# Altium PCB miniBackplane.PcbDoc (part 16 of 24)
Units mil, origin at the board's own origin, x right, y up, seen from the top; angles counter-clockwise.
Board outline 17285.63 x 8582.68 mil, 6 copper layers (Top Layer, Mid-Layer 1, GND, PWR, Mid-Layer 2, Bottom Layer), stack 62.362 mil thick; 519 components, 474 nets, 2434 pads, 1493 vias.
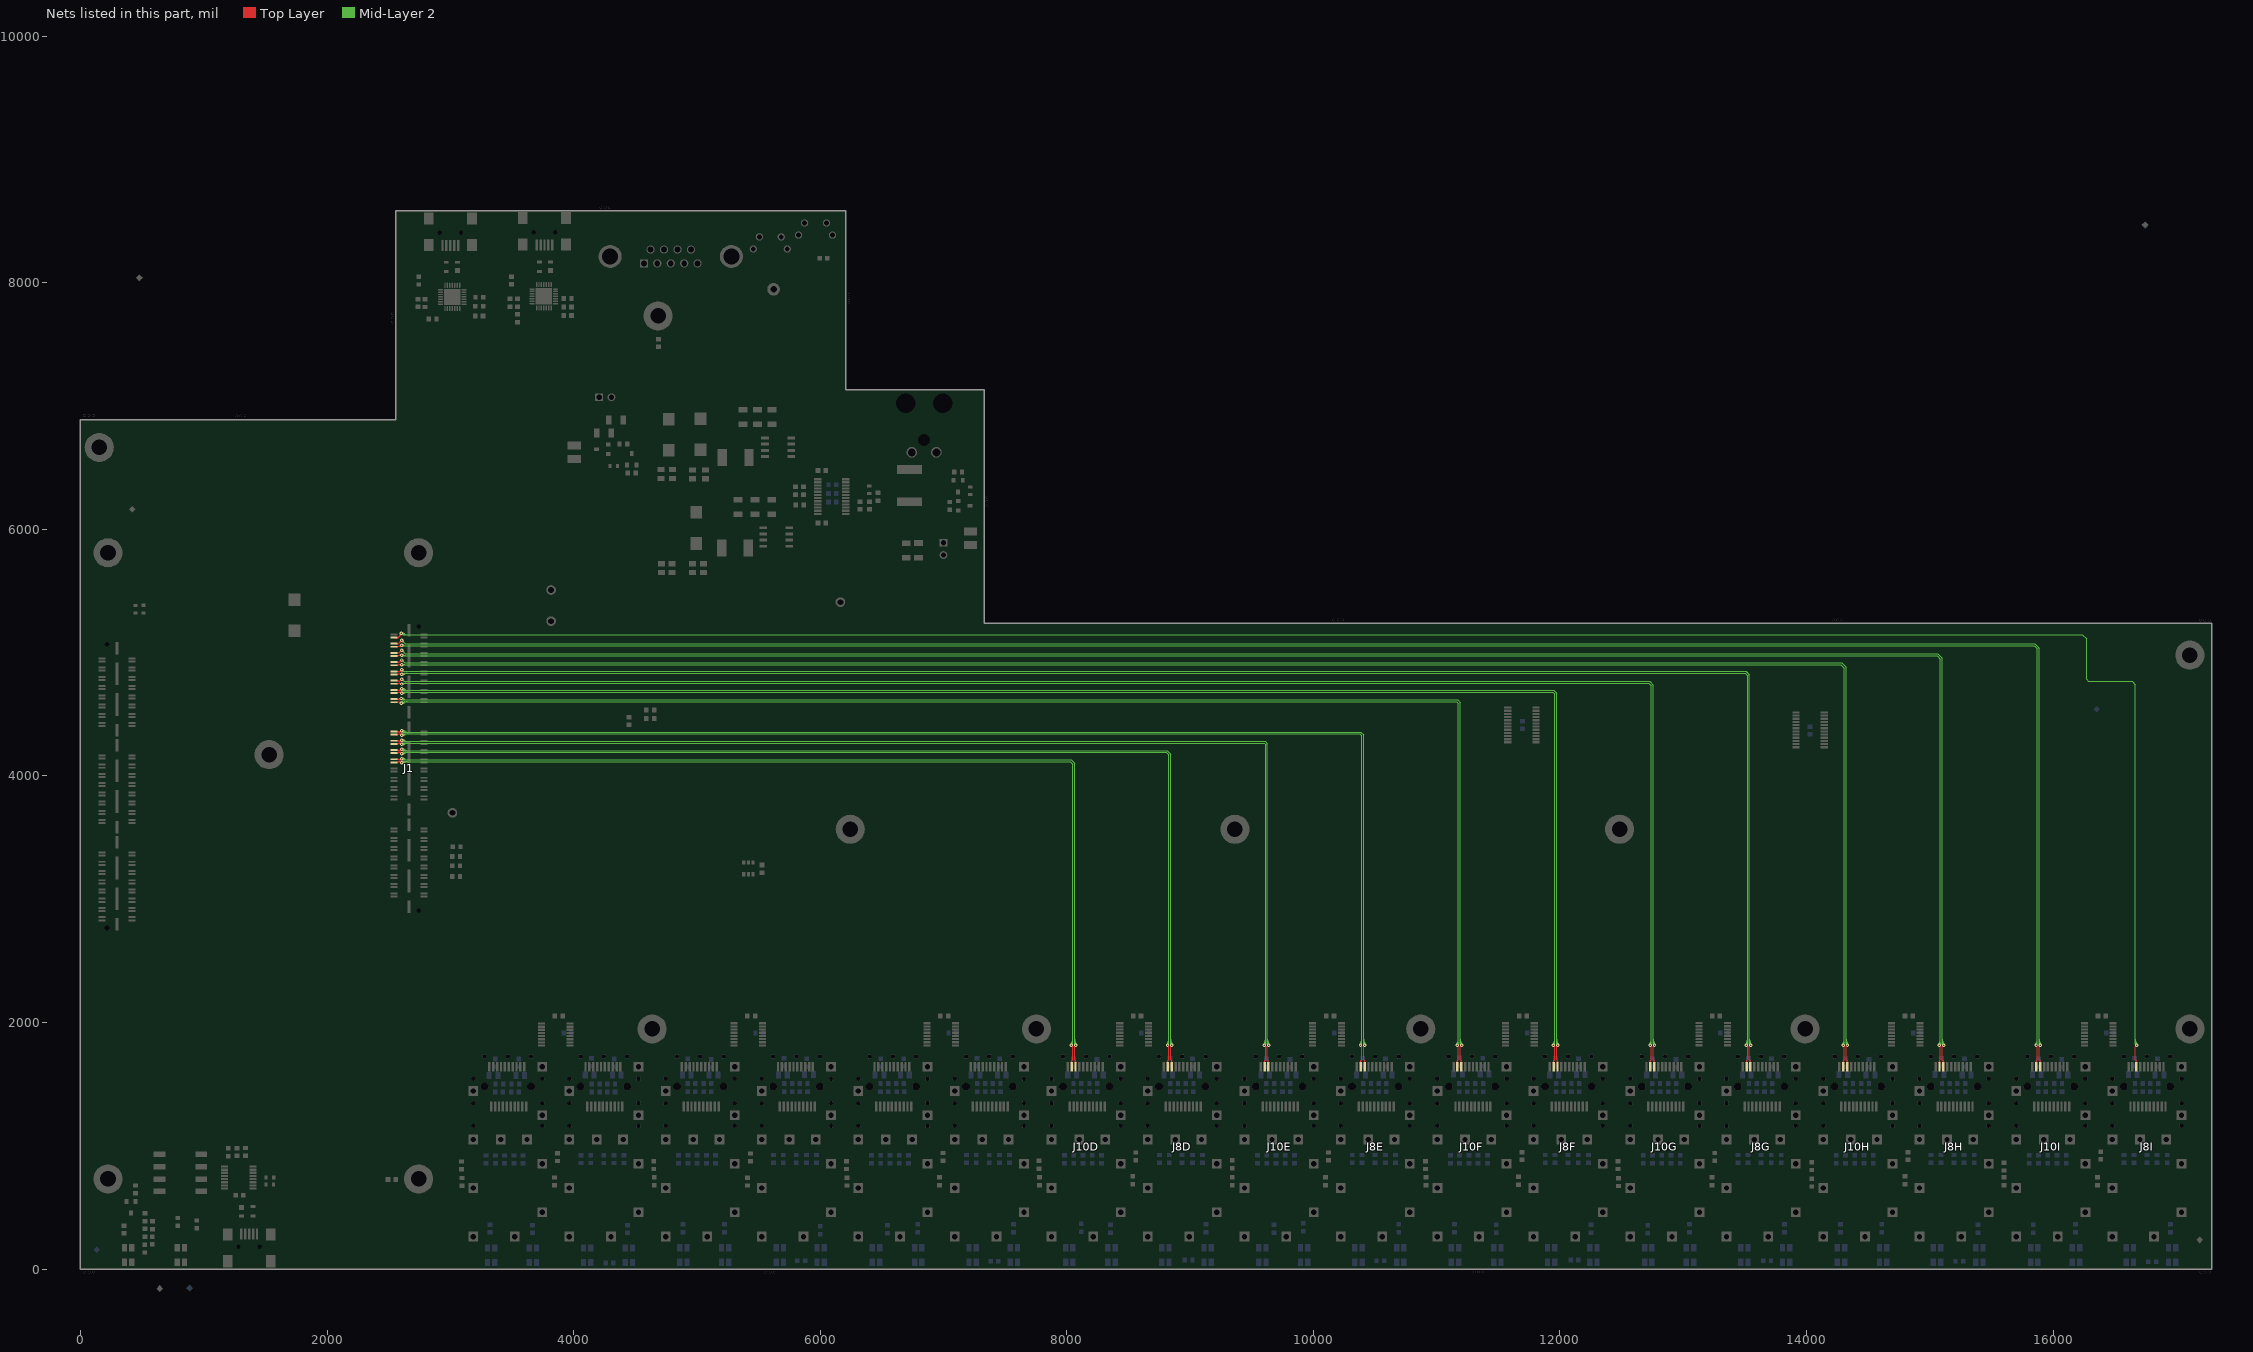
[diagram p20: the nets of this part, all layers, seen from the top]

## Via types
v1: diameter 27.56, hole 11.81, Top Layer to Bottom Layer, tented both sides, 1347 vias
v2: diameter 23.62, hole 11.81, Top Layer to Bottom Layer, tented both sides, 146 vias

## Nets (pads, with @x,y where several pads share a name; then routed paths per layer and width w, separated by ;. In a path a pad name is that pad's centre, name@x,y a point inside that pad or via, vN(x,y) a via of type N, cw(c..) or ccw(c..) an arc to the next point about the centre after c; other vN are vias at no path point) (continued)
MGTTX112_0_P: J1.4 J8I.18 | length 18355
  Top Layer w9.84: J1.4@2551.18,5122.49 2579.18,5122.49 ; 2589.47,5141.93 cw(c2615.45,5135.17) v1@2601.86,5158.32 ; v1@2602.36,5153.55 v1(2602.36,5157.47) 2602.36,5145.67 2579.18,5122.49 ; J8I.18@16675.47,1669.3 16675.47,1690.56 16667.6,1698.43 16667.6,1805.72 ; v1(16677.44,1815.56) 16667.6,1805.72 ; 2579.19,5122.49 ccw(c2544.63,5157.05) 2593.5,5157.41 cw(c2544.63,5157.05) 2579.19,5122.49 ; 16667.6,1805.72 ccw(c16663,1810.32) 16669.11,1812.54 cw(c16663,1810.32) 16667.6,1805.72 ; 16667.6,1805.72 cw(c16672.2,1801.12) 16674.42,1807.23 ccw(c16672.2,1801.12) 16667.6,1805.72 ; 16675.47,1682.63 ccw(c16687.35,1682.63) 16678.95,1674.23 cw(c16687.35,1682.63) 16675.47,1682.63 ; 16675.47,1682.63 cw(c16663.59,1682.63) 16671.99,1674.23 ccw(c16663.59,1682.63) 16675.47,1682.63 ; 2595.82,5139.12 ccw(c2577.65,5157.29) 2603.34,5157.48 cw(c2577.65,5157.29) 2595.82,5139.12
  Mid-Layer 2 w7.09: v1(2602.36,5157.47) 2614.08,5145.75 16238.73,5145.75 16271.65,5112.82 16271.65,4782.11 16286.05,4767.72 16640.46,4767.72 16667.6,4740.58 16667.6,1826.72 16667.99,1826.32 16667.99,1825.01 v1(16677.44,1815.56) ; v1@2604.44,5155.11 cw(c2614.6,5143.57) 2622.66,5156.66 ; v1@2607.24,5148.47 cw(c2615.63,5133.03) 2624.41,5148.25 ; v1@2609.12,5149.79 cw(c2621.22,5136.05) 2630.82,5151.64 ; v1@2612.24,5160.12 ccw(c2626.08,5163.83) 2618.92,5151.42 ; v1@16669.18,1821.6 ccw(c16659.44,1828.71) 16669.88,1834.74 ; v1@16670.02,1822.61 ccw(c16657.14,1834.84) 16672.5,1843.77 ; 16671.39,1832.12 ccw(c16683.8,1839.28) v1@16680.09,1825.45 ; v1@16675.16,1817.73 ccw(c16664.28,1828.05) 16677.25,1835.59 ; v1@2599.57,5154.69 ccw(c2621.15,5176.26) 2621.15,5145.75 cw(c2621.15,5176.26) v1@2599.57,5154.69 ; v1@2604.58,5159.7 ccw(c2638.26,5193.37) 2638.26,5145.75 cw(c2638.26,5193.37) v1@2604.58,5159.7 ; v1@2609.6,5164.71 ccw(c2655.37,5210.48) 2655.37,5145.75 cw(c2655.37,5210.48) v1@2609.6,5164.71 ; 16667.6,1829.82 ccw(c16691.7,1829.82) 16674.66,1812.78 cw(c16691.7,1829.82) 16667.6,1829.82 ; 16667.6,1846.92 ccw(c16708.81,1846.92) 16679.67,1817.79 cw(c16708.81,1846.92) 16667.6,1846.92 ; 16667.6,1864.03 ccw(c16725.92,1864.03) 16684.68,1822.8 cw(c16725.92,1864.03) 16667.6,1864.03
MGTTX112_1_N: J1.8 J10I.19 | length 17199.8
  Top Layer w9.84: J1.8@2562.99,5047.49 2575.71,5047.49 2580.33,5052.12 ; v1(2605.71,5060) 2597.83,5052.12 2580.33,5052.12 ; v1(15862.01,1815.56) 15871.85,1805.72 ; J10I.19@15863.98,1677.17 15863.98,1690.56 15871.85,1698.43 15871.85,1805.72 ; 2580.33,5052.12 cw(c2571.4,5061.05) 2565.18,5050.06 ccw(c2571.4,5061.05) 2580.33,5052.12 ; 2580.34,5052.12 ccw(c2580.34,5070.86) 2597.56,5063.49 cw(c2580.34,5070.86) 2580.34,5052.12 ; 15863.98,1682.63 ccw(c15875.86,1682.63) 15867.46,1674.23 cw(c15875.86,1682.63) 15863.98,1682.63 ; 15863.98,1682.63 cw(c15852.1,1682.63) 15860.5,1674.23 ccw(c15852.1,1682.63) 15863.98,1682.63 ; 15871.85,1805.72 ccw(c15867.25,1801.12) 15865.03,1807.23 cw(c15867.25,1801.12) 15871.85,1805.72 ; 15871.85,1805.72 cw(c15876.45,1810.32) 15870.33,1812.54 ccw(c15876.45,1810.32) 15871.85,1805.72
  Mid-Layer 2 w7.09: v1(2605.71,5060) 2610.71,5055 15846.46,5055 15871.85,5029.61 15871.85,1825.4 v1(15862.01,1815.56) ; v1@15859.36,1825.45 ccw(c15855.65,1839.28) 15868.06,1832.12 ; 15862.2,1835.59 ccw(c15875.16,1828.05) v1@15864.29,1817.73 ; 15866.95,1843.77 ccw(c15882.31,1834.84) v1@15869.43,1822.61 ; 15869.57,1834.74 ccw(c15880.01,1828.71) v1@15870.27,1821.6 ; v1@2607.94,5062.23 ccw(c2625.38,5079.67) 2625.38,5055 cw(c2625.38,5079.67) v1@2607.94,5062.23 ; v1@2612.95,5067.24 ccw(c2642.49,5096.78) 2642.49,5055 cw(c2642.49,5096.78) v1@2612.95,5067.24 ; v1@15854.77,1822.8 ccw(c15813.53,1864.03) 15871.85,1864.03 cw(c15813.53,1864.03) v1@15854.77,1822.8 ; v1@15859.78,1817.79 ccw(c15830.64,1846.92) 15871.85,1846.92 cw(c15830.64,1846.92) v1@15859.78,1817.79 ; v1@15864.79,1812.78 ccw(c15847.75,1829.82) 15871.85,1829.82 cw(c15847.75,1829.82) v1@15864.79,1812.78
MGTTX112_1_P: J1.6 J10I.18 | length 17229.9
  Top Layer w9.84: J1.6@2562.99,5072.49 2582.01,5072.49 2605.71,5096.19 v1(2605.71,5100) ; 2593.74,5088.38 cw(c2611.43,5083.64) v1@2605.38,5100.93 ; J10I.18@15895.47,1673.24 15895.47,1690.56 15887.6,1698.43 15887.6,1805.72 ; v1(15897.44,1815.56) 15887.6,1805.72 ; 15887.6,1805.72 ccw(c15883,1810.32) 15889.11,1812.54 cw(c15883,1810.32) 15887.6,1805.72 ; 15887.6,1805.72 cw(c15892.2,1801.12) 15894.42,1807.23 ccw(c15892.2,1801.12) 15887.6,1805.72 ; 15895.47,1682.63 ccw(c15907.35,1682.63) 15898.95,1674.23 cw(c15907.35,1682.63) 15895.47,1682.63 ; 15895.47,1682.63 cw(c15883.59,1682.63) 15891.99,1674.23 ccw(c15883.59,1682.63) 15895.47,1682.63 ; 2587.89,5078.37 ccw(c2566.27,5100) 2596.85,5100 cw(c2566.27,5100) 2587.89,5078.37 ; 2597.09,5087.57 cw(c2605.71,5078.95) 2605.71,5091.14 ccw(c2605.71,5078.95) 2597.09,5087.57
  Mid-Layer 2 w7.09: v1(2605.71,5100) 2634.96,5070.75 15852.98,5070.75 15886.56,5037.17 15887.6,5036.13 15887.6,1825.4 v1(15897.44,1815.56) ; v1@15889.18,1821.6 ccw(c15879.44,1828.71) 15889.88,1834.74 ; v1@15890.02,1822.61 ccw(c15877.14,1834.84) 15892.5,1843.77 ; 15891.39,1832.12 ccw(c15903.8,1839.28) v1@15900.09,1825.45 ; v1@15895.16,1817.73 ccw(c15884.28,1828.05) 15897.25,1835.59 ; 2623.18,5082.53 ccw(c2605.71,5065.05) 2605.71,5089.76 cw(c2605.71,5065.05) 2623.18,5082.53 ; 2623.18,5082.53 cw(c2640.66,5100) 2615.94,5100 ccw(c2640.66,5100) 2623.18,5082.53 ; 15887.6,1829.82 ccw(c15911.7,1829.82) 15894.66,1812.78 cw(c15911.7,1829.82) 15887.6,1829.82 ; 15887.6,1846.92 ccw(c15928.81,1846.92) 15899.67,1817.79 cw(c15928.81,1846.92) 15887.6,1846.92 ; 15887.6,1864.03 ccw(c15945.92,1864.03) 15904.68,1822.8 cw(c15945.92,1864.03) 15887.6,1864.03
MGTTX112_2_N: J1.12 J8H.19 | length 16383.4
  Top Layer w9.84: J1.12@2562.99,4972.49 2575.71,4972.49 2583.22,4980 ; J1.12@2565.74,4970.34 cw(c2577.29,4958.04) 2577.82,4974.9 ; v1(2605.71,4980) 2583.22,4980 ; v1(15077.01,1815.56) 15086.85,1805.72 ; J8H.19@15078.98,1669.3 15078.98,1690.56 15086.85,1698.43 15086.85,1805.72 ; 2583.22,4980 cw(c2569.99,4993.23) 2564.57,4975.32 ccw(c2569.99,4993.23) 2583.22,4980 ; 2584.32,4980 ccw(c2584.32,5001.39) 2599.44,4986.26 cw(c2584.32,5001.39) 2584.32,4980 ; 2584.32,4980 cw(c2584.32,4958.61) 2599.44,4973.74 ccw(c2584.32,4958.61) 2584.32,4980 ; 15078.98,1682.63 ccw(c15090.86,1682.63) 15082.46,1674.23 cw(c15090.86,1682.63) 15078.98,1682.63 ; 15078.98,1682.63 cw(c15067.1,1682.63) 15075.5,1674.23 ccw(c15067.1,1682.63) 15078.98,1682.63 ; 15086.85,1805.72 ccw(c15082.25,1801.12) 15080.03,1807.23 cw(c15082.25,1801.12) 15086.85,1805.72 ; 15086.85,1805.72 cw(c15091.45,1810.32) 15085.33,1812.54 ccw(c15091.45,1810.32) 15086.85,1805.72
  Mid-Layer 2 w7.09: v1(2605.71,4980) 2610.71,4975 15059.06,4975 15086.85,4947.2 15086.85,1825.4 v1(15077.01,1815.56) ; v1@15074.36,1825.45 ccw(c15070.65,1839.28) 15083.06,1832.12 ; 15077.2,1835.59 ccw(c15090.16,1828.05) v1@15079.29,1817.73 ; 15081.95,1843.77 ccw(c15097.31,1834.84) v1@15084.43,1822.61 ; 15084.57,1834.74 ccw(c15095.01,1828.71) v1@15085.27,1821.6 ; v1@2607.94,4982.23 ccw(c2625.38,4999.67) 2625.38,4975 cw(c2625.38,4999.67) v1@2607.94,4982.23 ; v1@2612.95,4987.24 ccw(c2642.49,5016.78) 2642.49,4975 cw(c2642.49,5016.78) v1@2612.95,4987.24 ; v1@15069.77,1822.8 ccw(c15028.53,1864.03) 15086.85,1864.03 cw(c15028.53,1864.03) v1@15069.77,1822.8 ; v1@15074.78,1817.79 ccw(c15045.64,1846.92) 15086.85,1846.92 cw(c15045.64,1846.92) v1@15074.78,1817.79 ; v1@15079.79,1812.78 ccw(c15062.75,1829.82) 15086.85,1829.82 cw(c15062.75,1829.82) v1@15079.79,1812.78
MGTTX112_2_P: J1.10 J8H.18 | length 16411.1
  Top Layer w9.84: J1.10@2566.93,4997.49 2585.33,4997.49 v1@2605.71,5017.87 ; 2593.97,5009.26 cw(c2610.06,5004.95) v1@2605.44,5020.95 ; J8H.18@15110.47,1673.24 15110.47,1690.56 15102.6,1698.43 15102.6,1805.72 ; v1(15112.44,1815.56) 15102.6,1805.72 ; 15102.6,1805.72 ccw(c15098,1810.32) 15104.11,1812.54 cw(c15098,1810.32) 15102.6,1805.72 ; 15102.6,1805.72 cw(c15107.2,1801.12) 15109.42,1807.23 ccw(c15107.2,1801.12) 15102.6,1805.72 ; 15110.47,1682.63 ccw(c15122.35,1682.63) 15113.95,1674.23 cw(c15122.35,1682.63) 15110.47,1682.63 ; 15110.47,1682.63 cw(c15098.59,1682.63) 15106.99,1674.23 ccw(c15098.59,1682.63) 15110.47,1682.63 ; 2589.08,5001.24 ccw(c2570.31,5020) 2596.85,5020 cw(c2570.31,5020) 2589.08,5001.24 ; 2594.23,5006.39 cw(c2605.71,4994.91) 2605.71,5011.14 ccw(c2605.71,4994.91) 2594.23,5006.39
  Mid-Layer 2 w7.09: v1(2605.71,5020) 2634.96,4990.75 15065.58,4990.75 ; v1@15102.6,1820.4 15102.6,1825.4 ; v1@15104.18,1821.6 ccw(c15094.44,1828.71) 15104.88,1834.74 ; v1@15105.02,1822.61 ccw(c15092.14,1834.84) 15107.5,1843.77 ; 15106.39,1832.12 ccw(c15118.8,1839.28) v1@15115.09,1825.45 ; v1@15110.16,1817.73 ccw(c15099.28,1828.05) 15112.25,1835.59 ; v1(15112.44,1815.56) 15102.6,1825.4 ; 2623.18,5002.53 ccw(c2605.71,4985.05) 2605.71,5009.76 cw(c2605.71,4985.05) 2623.18,5002.53 ; 2623.18,5002.53 cw(c2640.66,5020) 2615.94,5020 ccw(c2640.66,5020) 2623.18,5002.53 ; 15065.58,4990.75 15102.6,4953.73 ; 15065.58,4990.75 15102.6,4953.73 ; 15102.6,1825.4 15102.6,4953.73 ; 15102.6,1829.82 ccw(c15126.7,1829.82) 15109.66,1812.78 cw(c15126.7,1829.82) 15102.6,1829.82 ; 15102.6,1846.92 ccw(c15143.81,1846.92) 15114.67,1817.79 cw(c15143.81,1846.92) 15102.6,1846.92 ; 15102.6,1864.03 ccw(c15160.92,1864.03) 15119.68,1822.8 cw(c15160.92,1864.03) 15102.6,1864.03
MGTTX112_3_N: J1.16 J10H.19 | length 15473.2
  Top Layer w9.84: J1.16@2562.99,4897.49 2575.71,4897.49 2580.33,4902.12 ; v1@2603.59,4902.12 2580.33,4902.12 ; v1(14297.01,1815.56) 14306.85,1805.72 ; J10H.19@14298.98,1669.3 14298.98,1690.56 14306.85,1698.43 14306.85,1805.72 ; 2580.33,4902.12 cw(c2571.4,4911.05) 2565.18,4900.06 ccw(c2571.4,4911.05) 2580.33,4902.12 ; 2580.34,4902.12 cw(c2580.34,4876.16) 2599.25,4893.93 ccw(c2580.34,4876.16) 2580.34,4902.12 ; 14298.98,1682.63 ccw(c14310.86,1682.63) 14302.46,1674.23 cw(c14310.86,1682.63) 14298.98,1682.63 ; 14298.98,1682.63 cw(c14287.1,1682.63) 14295.5,1674.23 ccw(c14287.1,1682.63) 14298.98,1682.63 ; 14306.85,1805.72 ccw(c14302.25,1801.12) 14300.03,1807.23 cw(c14302.25,1801.12) 14306.85,1805.72 ; 14306.85,1805.72 cw(c14311.45,1810.32) 14305.33,1812.54 ccw(c14311.45,1810.32) 14306.85,1805.72 ; 2589.44,4902.12 ccw(c2589.44,4916.27) 2599.44,4906.26 cw(c2589.44,4916.27) 2589.44,4902.12
  Mid-Layer 2 w7.09: v1(2605.71,4900) 14279.53,4900 14306.85,4872.68 14306.85,1825.4 v1(14297.01,1815.56) ; v1@14294.36,1825.45 ccw(c14290.65,1839.28) 14303.06,1832.12 ; 14297.2,1835.59 ccw(c14310.16,1828.05) v1@14299.29,1817.73 ; 14301.95,1843.77 ccw(c14317.31,1834.84) v1@14304.43,1822.61 ; 14304.57,1834.74 ccw(c14315.01,1828.71) v1@14305.27,1821.6 ; 2630.42,4900 ccw(c2630.42,4875.29) 2612.95,4892.76 cw(c2630.42,4875.29) 2630.42,4900 ; 2630.42,4900 cw(c2630.42,4924.71) 2612.95,4907.24 ccw(c2630.42,4924.71) 2630.42,4900 ; v1@14289.77,1822.8 ccw(c14248.53,1864.03) 14306.85,1864.03 cw(c14248.53,1864.03) v1@14289.77,1822.8 ; v1@14294.78,1817.79 ccw(c14265.64,1846.92) 14306.85,1846.92 cw(c14265.64,1846.92) v1@14294.78,1817.79 ; v1@14299.79,1812.78 ccw(c14282.75,1829.82) 14306.85,1829.82 cw(c14282.75,1829.82) v1@14299.79,1812.78
MGTTX112_3_P: J1.14 J10H.18 | length 15555.7
  Top Layer w9.84: J1.14@2562.99,4922.49 2575.71,4922.49 2580.33,4917.87 ; 2594.27,4930.38 cw(c2608.46,4926.58) v1@2605.51,4940.96 ; 2596.09,4928.56 ccw(c2592.29,4942.75) v1@2606.67,4939.8 ; v1(2605.71,4940) 2583.57,4917.87 2580.33,4917.87 ; J10H.18@14330.47,1669.3 14330.47,1690.56 14322.6,1698.43 14322.6,1805.72 ; v1(14332.44,1815.56) 14322.6,1805.72 ; 2580.33,4917.87 ccw(c2571.4,4908.94) 2565.18,4919.92 cw(c2571.4,4908.94) 2580.33,4917.87 ; 2590.59,4924.88 ccw(c2575.46,4940) 2596.85,4940 cw(c2575.46,4940) 2590.59,4924.88 ; 2590.59,4924.88 cw(c2605.71,4909.76) 2605.71,4931.14 ccw(c2605.71,4909.76) 2590.59,4924.88 ; 14322.6,1805.72 ccw(c14318,1810.32) 14324.11,1812.54 cw(c14318,1810.32) 14322.6,1805.72 ; 14322.6,1805.72 cw(c14327.2,1801.12) 14329.42,1807.23 ccw(c14327.2,1801.12) 14322.6,1805.72 ; 14330.47,1682.63 ccw(c14342.35,1682.63) 14333.95,1674.23 cw(c14342.35,1682.63) 14330.47,1682.63 ; 14330.47,1682.63 cw(c14318.59,1682.63) 14326.99,1674.23 ccw(c14318.59,1682.63) 14330.47,1682.63
  Mid-Layer 2 w7.09: v1(2605.71,4940) 2629.96,4915.75 14286.05,4915.75 14322.6,4879.2 14322.6,1825.4 v1(14332.44,1815.56) ; v1@14324.18,1821.6 ccw(c14314.44,1828.71) 14324.88,1834.74 ; v1@14325.02,1822.61 ccw(c14312.14,1834.84) 14327.5,1843.77 ; 14326.39,1832.12 ccw(c14338.8,1839.28) v1@14335.09,1825.45 ; v1@14330.16,1817.73 ccw(c14319.28,1828.05) 14332.25,1835.59 ; 2623.18,4922.53 ccw(c2605.71,4905.05) 2605.71,4929.76 cw(c2605.71,4905.05) 2623.18,4922.53 ; 2623.18,4922.53 cw(c2640.66,4940) 2615.94,4940 ccw(c2640.66,4940) 2623.18,4922.53 ; 14322.6,1829.82 ccw(c14346.7,1829.82) 14329.66,1812.78 cw(c14346.7,1829.82) 14322.6,1829.82 ; 14322.6,1846.92 ccw(c14363.81,1846.92) 14334.67,1817.79 cw(c14363.81,1846.92) 14322.6,1846.92 ; 14322.6,1864.03 ccw(c14380.92,1864.03) 14339.68,1822.8 cw(c14380.92,1864.03) 14322.6,1864.03
MGTTX113_0_N: J1.20 J8G.19 | length 14735.4
  Top Layer w9.84: J1.20@2562.99,4822.49 2575.71,4822.49 2580.33,4827.12 ; v1(2607.45,4823.42) 2603.75,4827.12 2580.33,4827.12 ; v1(13512.01,1815.56) 13521.85,1805.72 ; J8G.19@13513.98,1669.3 13513.98,1690.56 13521.85,1698.43 13521.85,1805.72 ; 2580.33,4827.12 cw(c2571.4,4836.05) 2565.18,4825.06 ccw(c2571.4,4836.05) 2580.33,4827.12 ; 2580.34,4827.12 cw(c2580.34,4800.43) 2600.69,4817.69 ccw(c2580.34,4800.43) 2580.34,4827.12 ; 13513.98,1682.63 ccw(c13525.86,1682.63) 13517.46,1674.23 cw(c13525.86,1682.63) 13513.98,1682.63 ; 13513.98,1682.63 cw(c13502.1,1682.63) 13510.5,1674.23 ccw(c13502.1,1682.63) 13513.98,1682.63 ; 13521.85,1805.72 ccw(c13517.25,1801.12) 13515.03,1807.23 cw(c13517.25,1801.12) 13521.85,1805.72 ; 13521.85,1805.72 cw(c13526.45,1810.32) 13520.33,1812.54 ccw(c13526.45,1810.32) 13521.85,1805.72
  Mid-Layer 2 w7.09: v1(2607.45,4823.42) 2615.73,4831.69 13503.31,4831.69 13521.85,4813.15 13521.85,1825.4 v1(13512.01,1815.56) ; v1@2609.83,4825.48 ccw(c2619.6,4833.93) 2626.06,4822.74 ; v1@2614.56,4830.78 ccw(c2620.18,4836.6) 2624.23,4829.59 ; v1@2615.19,4830.12 ccw(c2626.2,4839.65) 2633.49,4827.03 ; v1@2617.34,4820.77 cw(c2631.17,4817.06) 2624.01,4829.47 ; v1@13509.36,1825.45 ccw(c13505.65,1839.28) 13518.06,1832.12 ; 13512.2,1835.59 ccw(c13525.16,1828.05) v1@13514.29,1817.73 ; 13516.95,1843.77 ccw(c13532.31,1834.84) v1@13519.43,1822.61 ; 13519.57,1834.74 ccw(c13530.01,1828.71) v1@13520.27,1821.6 ; v1@2609.68,4821.19 cw(c2635.03,4795.83) 2635.03,4831.69 ccw(c2635.03,4795.83) v1@2609.68,4821.19 ; v1@2614.69,4816.18 cw(c2652.14,4778.72) 2652.14,4831.69 ccw(c2652.14,4778.72) v1@2614.69,4816.18 ; v1@13504.77,1822.8 ccw(c13463.53,1864.03) 13521.85,1864.03 cw(c13463.53,1864.03) v1@13504.77,1822.8 ; v1@13509.78,1817.79 ccw(c13480.64,1846.92) 13521.85,1846.92 cw(c13480.64,1846.92) v1@13509.78,1817.79 ; v1@13514.79,1812.78 ccw(c13497.75,1829.82) 13521.85,1829.82 cw(c13497.75,1829.82) v1@13514.79,1812.78
MGTTX113_0_P: J1.18 J8G.18 | length 14717.6
  Top Layer w9.84: J1.18@2562.99,4847.49 2575.71,4847.49 2580.33,4842.87 ; 2594.27,4850.97 cw(c2608.46,4847.17) v1@2605.51,4861.55 ; 2596.09,4849.15 ccw(c2592.29,4863.34) v1@2606.67,4860.39 ; v1(2605.71,4860.59) 2587.98,4842.87 2580.33,4842.87 ; J8G.18@13545.47,1669.3 13545.47,1690.56 13537.6,1698.43 13537.6,1805.72 ; v1(13547.44,1815.56) 13537.6,1805.72 ; 2580.33,4842.87 ccw(c2571.4,4833.94) 2565.18,4844.92 cw(c2571.4,4833.94) 2580.33,4842.87 ; 2590.59,4845.47 ccw(c2575.46,4860.59) 2596.85,4860.59 cw(c2575.46,4860.59) 2590.59,4845.47 ; 2590.59,4845.47 cw(c2605.71,4830.35) 2605.71,4851.73 ccw(c2605.71,4830.35) 2590.59,4845.47 ; 13537.6,1805.72 ccw(c13533,1810.32) 13539.11,1812.54 cw(c13533,1810.32) 13537.6,1805.72 ; 13537.6,1805.72 cw(c13542.2,1801.12) 13544.42,1807.23 ccw(c13542.2,1801.12) 13537.6,1805.72 ; 13545.47,1682.63 ccw(c13557.35,1682.63) 13548.95,1674.23 cw(c13557.35,1682.63) 13545.47,1682.63 ; 13545.47,1682.63 cw(c13533.59,1682.63) 13541.99,1674.23 ccw(c13533.59,1682.63) 13545.47,1682.63
  Mid-Layer 2 w7.09: v1(2605.71,4860.59) 2617.29,4849.01 2618.05,4849.01 2619.62,4847.44 ; 13506.52,4850.75 13537.6,4819.67 ; v1@13539.18,1821.6 ccw(c13529.44,1828.71) 13539.88,1834.74 ; v1@13540.02,1822.61 ccw(c13527.14,1834.84) 13542.5,1843.77 ; 13541.39,1832.12 ccw(c13553.8,1839.28) v1@13550.09,1825.45 ; v1@13545.16,1817.73 ccw(c13534.28,1828.05) 13547.25,1835.59 ; v1(13547.44,1815.56) 13537.6,1825.4 13537.6,4819.67 ; 2619.62,4847.44 ccw(c2611.03,4838.86) 2608.14,4850.65 cw(c2611.03,4838.86) 2619.62,4847.44 ; 2619.62,4847.44 cw(c2629.15,4856.97) 2615.83,4859.03 ccw(c2629.15,4856.97) 2619.62,4847.44 ; 2619.62,4847.44 13509.83,4847.44 13537.6,4819.67 ; 13537.6,1829.82 ccw(c13561.7,1829.82) 13544.66,1812.78 cw(c13561.7,1829.82) 13537.6,1829.82 ; 13537.6,1846.92 ccw(c13578.81,1846.92) 13549.67,1817.79 cw(c13578.81,1846.92) 13537.6,1846.92 ; 13537.6,1864.03 ccw(c13595.92,1864.03) 13554.68,1822.8 cw(c13595.92,1864.03) 13537.6,1864.03
MGTTX113_1_N: J1.24 J10G.19 | length 13779.4
  Top Layer w9.84: J1.24@2562.99,4747.49 2575.71,4747.49 2580.33,4752.12 ; v1(2605.71,4745) 2598.59,4752.12 2580.33,4752.12 ; v1(12732.01,1815.56) 12741.85,1805.72 ; J10G.19@12733.98,1665.36 12733.98,1690.56 12741.85,1698.43 12741.85,1805.72 ; 2580.33,4752.12 cw(c2571.4,4761.05) 2565.18,4750.06 ccw(c2571.4,4761.05) 2580.33,4752.12 ; 2580.34,4752.12 cw(c2580.34,4732.84) 2597.72,4741.17 ccw(c2580.34,4732.84) 2580.34,4752.12 ; 12733.98,1682.63 ccw(c12745.86,1682.63) 12737.46,1674.23 cw(c12745.86,1682.63) 12733.98,1682.63 ; 12733.98,1682.63 cw(c12722.1,1682.63) 12730.5,1674.23 ccw(c12722.1,1682.63) 12733.98,1682.63 ; 12741.85,1805.72 ccw(c12737.25,1801.12) 12735.03,1807.23 cw(c12737.25,1801.12) 12741.85,1805.72 ; 12741.85,1805.72 cw(c12746.45,1810.32) 12740.33,1812.54 ccw(c12746.45,1810.32) 12741.85,1805.72
  Mid-Layer 2 w7.09: v1(2605.71,4745) 2610.71,4750 12722.44,4750 12741.85,4730.59 12741.85,1825.4 v1(12732.01,1815.56) ; v1@12729.36,1825.45 ccw(c12725.65,1839.28) 12738.06,1832.12 ; 12732.2,1835.59 ccw(c12745.16,1828.05) v1@12734.29,1817.73 ; 12736.95,1843.77 ccw(c12752.31,1834.84) v1@12739.43,1822.61 ; 12739.57,1834.74 ccw(c12750.01,1828.71) v1@12740.27,1821.6 ; v1@2607.94,4742.77 cw(c2625.38,4725.33) 2625.38,4750 ccw(c2625.38,4725.33) v1@2607.94,4742.77 ; v1@2612.95,4737.76 cw(c2642.49,4708.22) 2642.49,4750 ccw(c2642.49,4708.22) v1@2612.95,4737.76 ; v1@12724.77,1822.8 ccw(c12683.53,1864.03) 12741.85,1864.03 cw(c12683.53,1864.03) v1@12724.77,1822.8 ; v1@12729.78,1817.79 ccw(c12700.64,1846.92) 12741.85,1846.92 cw(c12700.64,1846.92) v1@12729.78,1817.79 ; v1@12734.79,1812.78 ccw(c12717.75,1829.82) 12741.85,1829.82 cw(c12717.75,1829.82) v1@12734.79,1812.78
MGTTX113_1_P: J1.22 J10G.18 | length 13845.1
  Top Layer w9.84: J1.22@2562.99,4772.49 2575.71,4772.49 2580.33,4767.87 ; 2594.27,4775.38 cw(c2608.46,4771.58) v1@2605.51,4785.96 ; 2596.09,4773.56 ccw(c2592.29,4787.75) v1@2606.67,4784.8 ; v1(2605.71,4785) 2588.57,4767.87 2580.33,4767.87 ; J10G.18@12765.47,1665.36 12765.47,1690.56 12757.6,1698.43 12757.6,1805.72 ; v1(12767.44,1815.56) 12757.6,1805.72 ; 2580.33,4767.87 ccw(c2571.4,4758.94) 2565.18,4769.92 cw(c2571.4,4758.94) 2580.33,4767.87 ; 2590.59,4769.88 ccw(c2575.46,4785) 2596.85,4785 cw(c2575.46,4785) 2590.59,4769.88 ; 2590.59,4769.88 cw(c2605.71,4754.76) 2605.71,4776.14 ccw(c2605.71,4754.76) 2590.59,4769.88 ; 12757.6,1805.72 ccw(c12753,1810.32) 12759.11,1812.54 cw(c12753,1810.32) 12757.6,1805.72 ; 12757.6,1805.72 cw(c12762.2,1801.12) 12764.42,1807.23 ccw(c12762.2,1801.12) 12757.6,1805.72 ; 12765.47,1682.63 ccw(c12777.35,1682.63) 12768.95,1674.23 cw(c12777.35,1682.63) 12765.47,1682.63 ; 12765.47,1682.63 cw(c12753.59,1682.63) 12761.99,1674.23 ccw(c12753.59,1682.63) 12765.47,1682.63
  Mid-Layer 2 w7.09: v1(2605.71,4785) 2624.96,4765.75 12728.96,4765.75 12757.6,4737.11 12757.6,1825.4 v1(12767.44,1815.56) ; v1@12759.18,1821.6 ccw(c12749.44,1828.71) 12759.88,1834.74 ; v1@12760.02,1822.61 ccw(c12747.14,1834.84) 12762.5,1843.77 ; 12761.39,1832.12 ccw(c12773.8,1839.28) v1@12770.09,1825.45 ; v1@12765.16,1817.73 ccw(c12754.28,1828.05) 12767.25,1835.59 ; 2623.18,4767.53 ccw(c2605.71,4750.05) 2605.71,4774.76 cw(c2605.71,4750.05) 2623.18,4767.53 ; 2623.18,4767.53 cw(c2640.66,4785) 2615.94,4785 ccw(c2640.66,4785) 2623.18,4767.53 ; 12757.6,1829.82 ccw(c12781.7,1829.82) 12764.66,1812.78 cw(c12781.7,1829.82) 12757.6,1829.82 ; 12757.6,1846.92 ccw(c12798.81,1846.92) 12769.67,1817.79 cw(c12798.81,1846.92) 12757.6,1846.92 ; 12757.6,1864.03 ccw(c12815.92,1864.03) 12774.68,1822.8 cw(c12815.92,1864.03) 12757.6,1864.03